# KiCad board noraneko42c.kicad_pcb
date: 2021-08-02
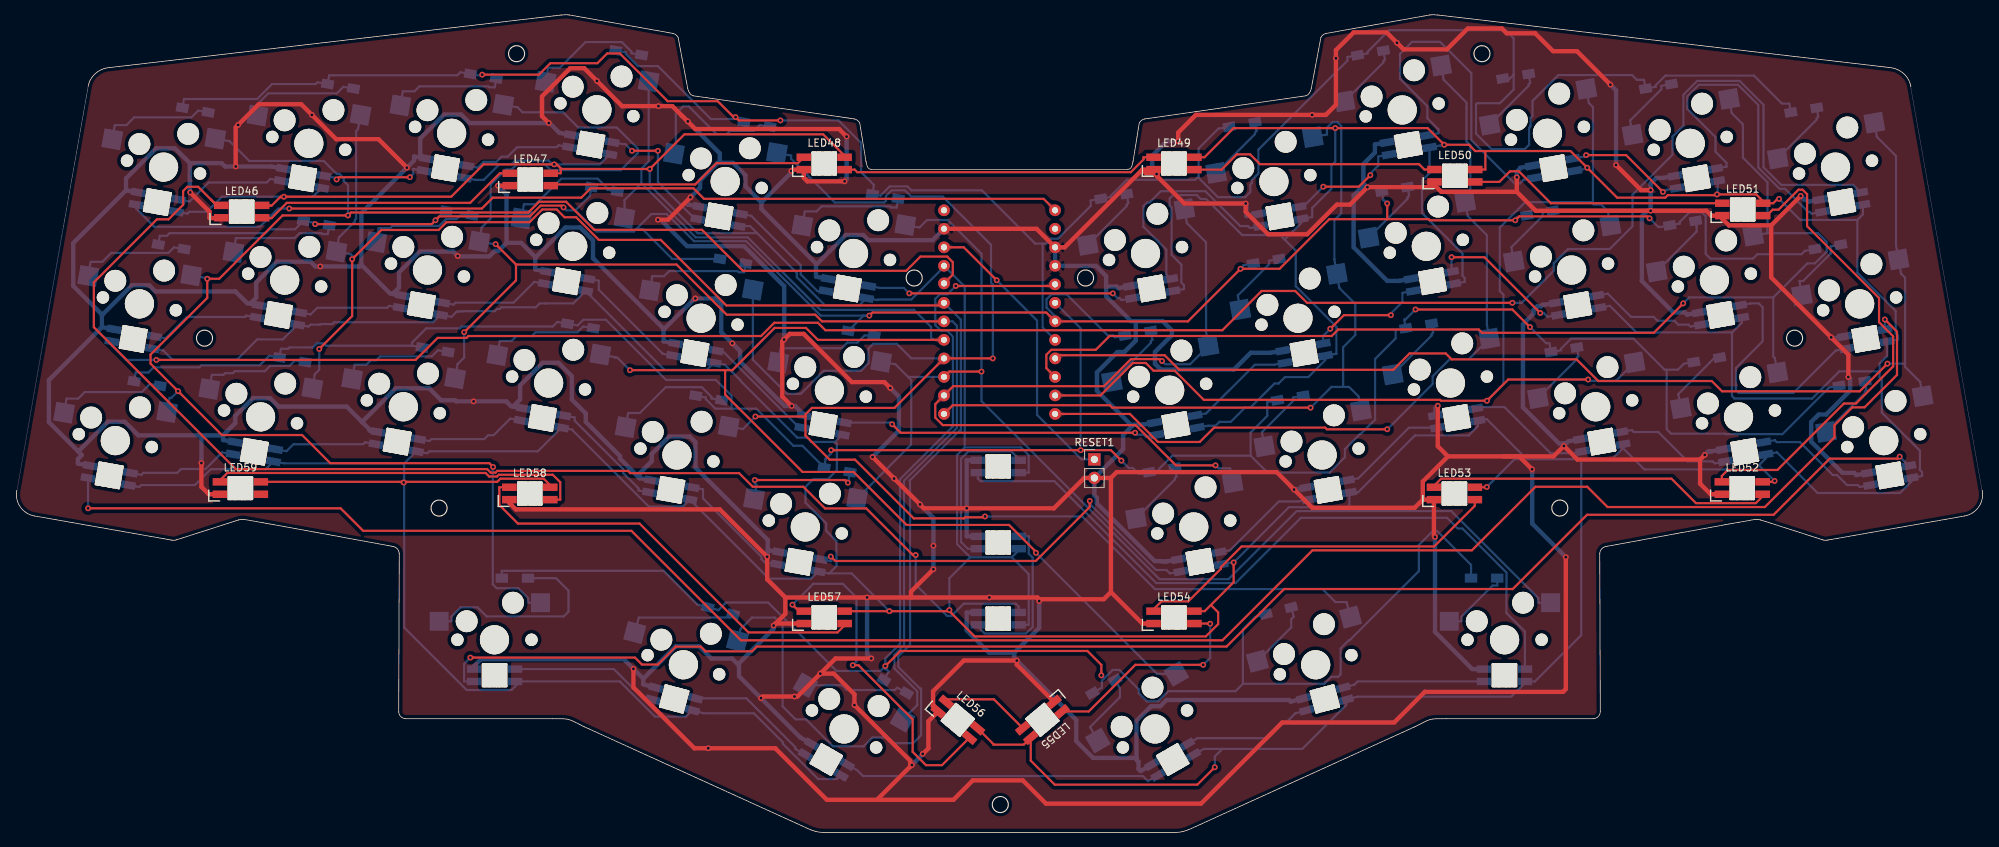
[diagram p0: board, top side]
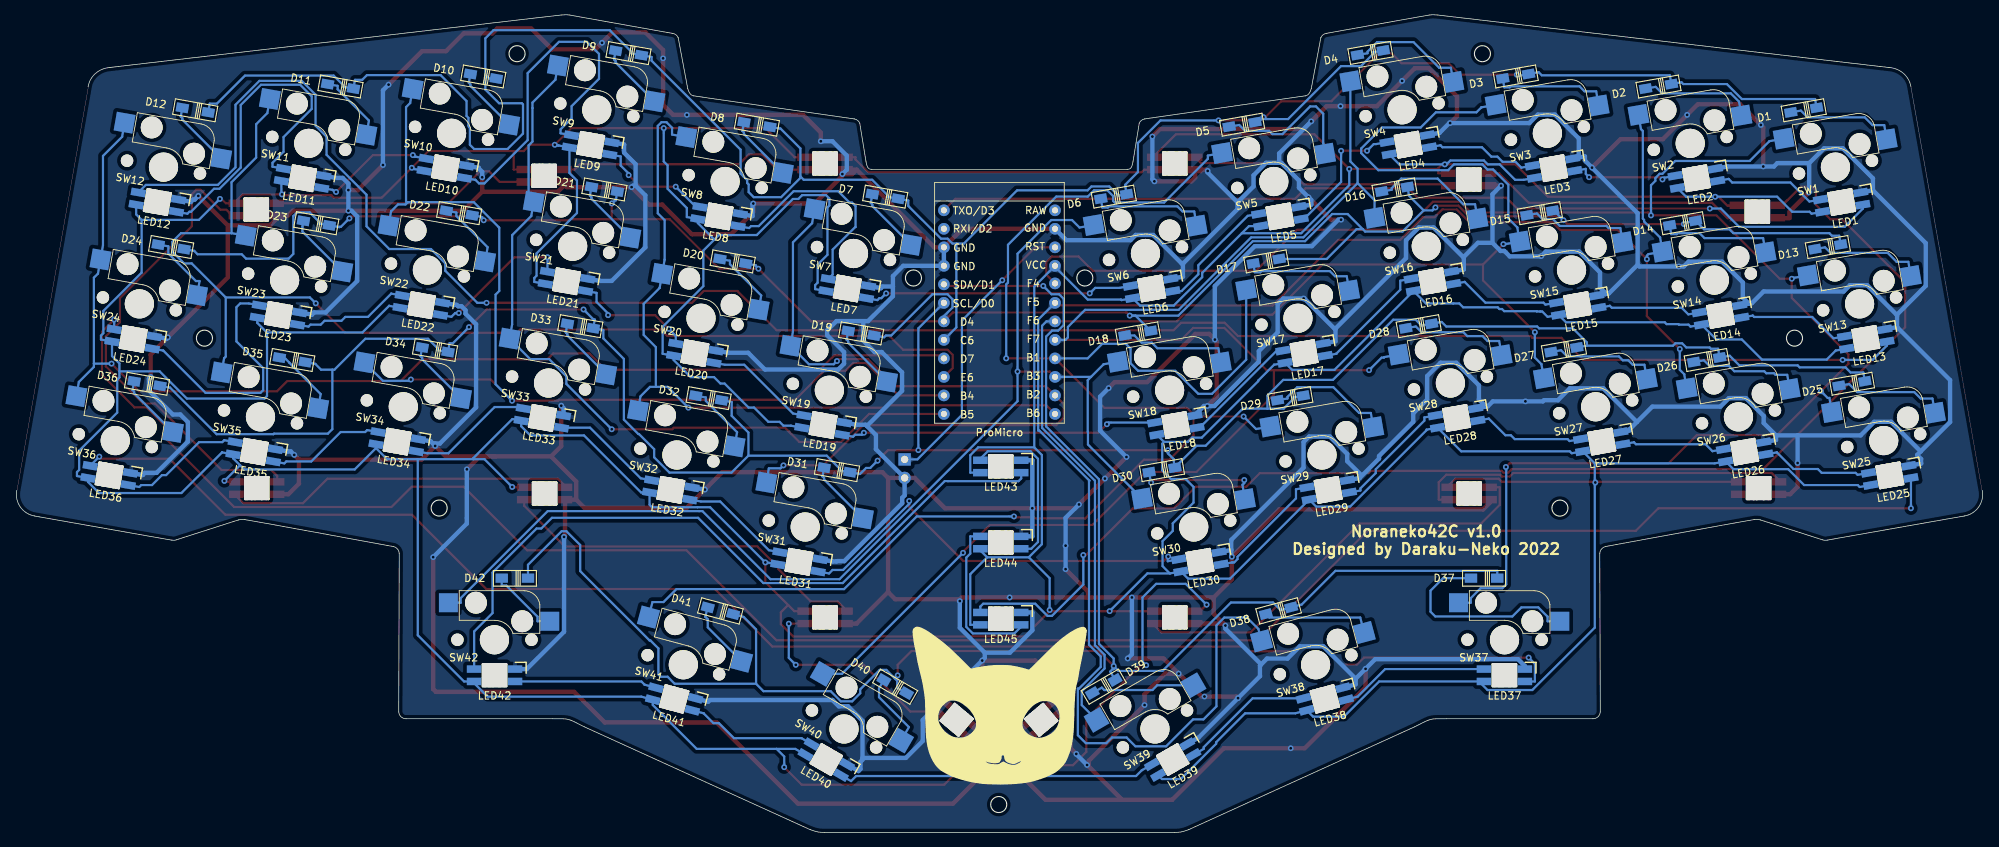
[diagram p1: board, bottom side, seen from below]

Outline 270.16 x 112.21 mm; copper layers: Top, Bottom. Coordinates in mm from the lower left corner of the outline.
Outline path: circle c26.05,67.81 r1.1 ; circle c58.22,44.5 r1.1 ; circle c68.85,106.84 r1.1 ; circle c123.38,76.07 r1.1 ; circle c135.19,3.83 r1.1 ; circle c146.88,76.07 r1.1 ; circle c201.25,106.84 r1.1 ; circle c211.93,44.51 r1.1 ; circle c244.12,67.81 r1.1 ; 22.24,40.16 30.69,42.87 ; 52.68,16.6 52.76,38.24 ; 73.8,15.6 53.68,15.6 ; 74.97,112.15 13.07,104.95 ; 76.12,112.15 90.27,109.63 ; 92.32,102.05 91.01,109.04 ; 93.14,101.06 115.17,97.89 ; 109.13,0.38 78.12,14.5 ; 116.77,92.02 115.92,97.3 ; 152.6,90.97 117.56,90.97 ; 154.24,97.3 153.39,92.02 ; 154.99,97.89 177.02,101.06 ; 159.08,0.01 111.08,0.01 ; 179.15,109.04 177.84,102.05 ; 179.89,109.63 194.04,112.15 ; 192.04,14.5 161.03,0.38 ; 216.48,15.6 196.36,15.6 ; 217.4,38.24 217.48,16.6 ; 239.47,42.87 247.92,40.16 ; 257.09,104.95 195.19,112.15
Stack: Top 0.035mm / dielectric 1.51mm FR4 er 4.5 / Bottom 0.035mm

## Placement (name value [footprint] x y rotation side)
D1  D  [1N4148W]  24.78 99.1 350 bottom
D2  D  [1N4148W]  44.7 102.36 350 bottom
D3  D  [1N4148W]  64.29 103.74 350 bottom
D4  D  [1N4148W]  84.22 106.97 350 bottom
D5  D  [1N4148W]  101.81 97.13 350 bottom
D6  D  [1N4148W]  119.41 87.25 350 bottom
D7  D  [1N4148W]  150.75 87.25 10 bottom
D8  D  [1N4148W]  168.35 97.13 10 bottom
D9  D  [1N4148W]  185.96 106.95 10 bottom
D10  D  [1N4148W]  205.88 103.74 10 bottom
D11  D  [1N4148W]  225.46 102.36 10 bottom
D12  D  [1N4148W]  245.38 99.1 10 bottom
D13  D  [1N4148W]  21.48 80.34 350 bottom
D14  D  [1N4148W]  41.39 83.6 350 bottom
D15  D  [1N4148W]  60.98 84.98 350 bottom
D16  D  [1N4148W]  80.9 88.24 350 bottom
D17  D  [1N4148W]  98.5 78.37 350 bottom
D18  D  [1N4148W]  116.11 68.49 350 bottom
D19  D  [1N4148W]  154.06 68.49 10 bottom
D20  D  [1N4148W]  171.66 78.37 10 bottom
D21  D  [1N4148W]  189.26 88.24 10 bottom
D22  D  [1N4148W]  209.18 84.98 10 bottom
D23  D  [1N4148W]  228.77 83.6 10 bottom
D24  D  [1N4148W]  248.69 80.34 10 bottom
D25  D  [1N4148W]  18.17 61.58 350 bottom
D26  D  [1N4148W]  38.09 64.84 350 bottom
D27  D  [1N4148W]  57.67 66.22 350 bottom
D28  D  [1N4148W]  77.59 69.48 350 bottom
D29  D  [1N4148W]  95.2 59.61 350 bottom
D30  D  [1N4148W]  112.8 49.73 350 bottom
D31  D  [1N4148W]  157.37 49.73 10 bottom
D32  D  [1N4148W]  174.97 59.61 10 bottom
D33  D  [1N4148W]  192.57 69.48 10 bottom
D34  D  [1N4148W]  212.49 66.22 10 bottom
D35  D  [1N4148W]  232.08 64.84 10 bottom
D36  D  [1N4148W]  252 61.58 10 bottom
D37  D  [1N4148W]  68.62 34.88 0 bottom
D38  D  [1N4148W]  96.81 30.42 345 bottom
D39  D  [1N4148W]  120.79 20.02 330 bottom
D40  D  [1N4148W]  149.38 20.02 30 bottom
D41  D  [1N4148W]  173.35 30.42 15 bottom
D42  D  [1N4148W]  201.55 34.88 0 bottom
LED1  -  [SK6812MINI-E]  19.08 83.6 350 bottom
LED2  -  [SK6812MINI-E]  38.99 86.87 350 bottom
LED3  -  [SK6812MINI-E]  58.58 88.25 350 bottom
LED4  -  [SK6812MINI-E]  78.51 91.48 350 bottom
LED5  -  [SK6812MINI-E]  96.11 81.64 350 bottom
LED6  -  [SK6812MINI-E]  113.71 71.75 350 bottom
LED7  -  [SK6812MINI-E]  156.46 71.75 10 bottom
LED8  -  [SK6812MINI-E]  174.05 81.64 10 bottom
LED9  -  [SK6812MINI-E]  191.66 91.46 10 bottom
LED10  -  [SK6812MINI-E]  211.58 88.25 10 bottom
LED11  -  [SK6812MINI-E]  231.17 86.87 10 bottom
LED12  -  [SK6812MINI-E]  251.09 83.6 10 bottom
LED13  -  [SK6812MINI-E]  15.76 64.83 350 bottom
LED14  -  [SK6812MINI-E]  35.68 68.12 350 bottom
LED15  -  [SK6812MINI-E]  55.28 69.46 350 bottom
LED16  -  [SK6812MINI-E]  75.19 72.74 350 bottom
LED17  -  [SK6812MINI-E]  92.79 62.88 350 bottom
LED18  -  [SK6812MINI-E]  110.38 53.01 350 bottom
LED19  -  [SK6812MINI-E]  159.78 53.01 10 bottom
LED20  -  [SK6812MINI-E]  177.37 62.88 10 bottom
LED21  -  [SK6812MINI-E]  194.97 72.74 10 bottom
LED22  -  [SK6812MINI-E]  214.88 69.46 10 bottom
LED23  -  [SK6812MINI-E]  234.48 68.12 10 bottom
LED24  -  [SK6812MINI-E]  254.4 64.83 10 bottom
LED25  -  [SK6812MINI-E]  12.47 46.11 350 bottom
LED26  -  [SK6812MINI-E]  32.37 49.35 350 bottom
LED27  -  [SK6812MINI-E]  51.97 50.74 350 bottom
LED28  -  [SK6812MINI-E]  71.88 53.98 350 bottom
LED29  -  [SK6812MINI-E]  89.49 44.12 350 bottom
LED30  -  [SK6812MINI-E]  107.08 34.25 350 bottom
LED31  -  [SK6812MINI-E]  163.08 34.25 10 bottom
LED32  -  [SK6812MINI-E]  180.67 44.12 10 bottom
LED33  -  [SK6812MINI-E]  198.28 53.98 10 bottom
LED34  -  [SK6812MINI-E]  218.19 50.74 10 bottom
LED35  -  [SK6812MINI-E]  237.79 49.35 10 bottom
LED36  -  [SK6812MINI-E]  257.69 46.11 10 bottom
LED37  -  [SK6812MINI-E]  65.83 18.64 0 bottom
LED38  -  [SK6812MINI-E]  89.7 15.49 345 bottom
LED39  -  [SK6812MINI-E]  109.87 7.46 330 bottom
LED40  -  [SK6812MINI-E]  160.3 7.46 30 bottom
LED41  -  [SK6812MINI-E]  180.46 15.49 15 bottom
LED42  -  [SK6812MINI-E]  204.33 18.64 0 bottom
LED43  -  [SK6812MINI-E]  134.91 47.29 0 bottom
LED44  -  [SK6812MINI-E]  134.91 36.85 0 bottom
LED45  -  [SK6812MINI-E]  134.91 26.41 0 bottom
LED46  -  [SK6812MINI-E]  31.14 88.1 0 top
LED47  -  [SK6812MINI-E]  70.73 92.5 0 top
LED48  -  [SK6812MINI-E]  111.04 94.7 0 top
LED49  -  [SK6812MINI-E]  159.01 94.7 0 top
LED50  -  [SK6812MINI-E]  197.53 93.02 0 top
LED51  -  [SK6812MINI-E]  237.01 88.39 0 top
LED52  -  [SK6812MINI-E]  236.95 50.17 0 top
LED53  -  [SK6812MINI-E]  197.47 49.42 0 top
LED54  -  [SK6812MINI-E]  159.01 32.43 0 top
LED55  -  [SK6812MINI-E]  142.84 13.22 220 top
LED56  -  [SK6812MINI-E]  131.24 17.69 320 top
LED57  -  [SK6812MINI-E]  111.04 32.43 0 top
LED58  -  [SK6812MINI-E]  70.66 49.42 0 top
LED59  -  [SK6812MINI-E]  30.97 50.17 0 top
RESET1  SW_Push  [PinHeader_1x02_P2.54mm_Vertical]  148.09 51.18 0 top
SW1  SW_Push  [MX_Socket]  20.43 91.28 350 top
SW2  SW_Push  [MX_Socket]  40.35 94.54 350 top
SW3  SW_Push  [MX_Socket]  59.94 95.92 350 top
SW4  SW_Push  [MX_Socket]  79.86 99.15 350 top
SW5  SW_Push  [MX_Socket]  97.46 89.3 350 top
SW6  SW_Push  [MX_Socket]  115.06 79.43 350 top
SW7  SW_Push  [MX_Socket]  155.11 79.43 10 top
SW8  SW_Push  [MX_Socket]  172.71 89.3 10 top
SW9  SW_Push  [MX_Socket]  190.31 99.12 10 top
SW10  SW_Push  [MX_Socket]  210.23 95.92 10 top
SW11  SW_Push  [MX_Socket]  229.82 94.54 10 top
SW12  SW_Push  [MX_Socket]  249.74 91.28 10 top
SW13  SW_Push  [MX_Socket]  17.12 72.52 350 top
SW14  SW_Push  [MX_Socket]  37.04 75.78 350 top
SW15  SW_Push  [MX_Socket]  56.63 77.16 350 top
SW16  SW_Push  [MX_Socket]  76.55 80.42 350 top
SW17  SW_Push  [MX_Socket]  94.15 70.54 350 top
SW18  SW_Push  [MX_Socket]  111.75 60.67 350 top
SW19  SW_Push  [MX_Socket]  158.41 60.67 10 top
SW20  SW_Push  [MX_Socket]  176.02 70.54 10 top
SW21  SW_Push  [MX_Socket]  193.62 80.42 10 top
SW22  SW_Push  [MX_Socket]  213.54 77.16 10 top
SW23  SW_Push  [MX_Socket]  233.13 75.78 10 top
SW24  SW_Push  [MX_Socket]  253.04 72.52 10 top
SW25  SW_Push  [MX_Socket]  13.81 53.76 350 top
SW26  SW_Push  [MX_Socket]  33.73 57.02 350 top
SW27  SW_Push  [MX_Socket]  53.32 58.4 350 top
SW28  SW_Push  [MX_Socket]  73.24 61.66 350 top
SW29  SW_Push  [MX_Socket]  90.84 51.78 350 top
SW30  SW_Push  [MX_Socket]  108.44 41.91 350 top
SW31  SW_Push  [MX_Socket]  161.72 41.91 10 top
SW32  SW_Push  [MX_Socket]  179.33 51.78 10 top
SW33  SW_Push  [MX_Socket]  196.93 61.66 10 top
SW34  SW_Push  [MX_Socket]  216.85 58.4 10 top
SW35  SW_Push  [MX_Socket]  236.43 57.02 10 top
SW36  SW_Push  [MX_Socket]  256.35 53.76 10 top
SW37  SW_Push  [MX_Socket_1.25U]  65.82 26.43 0 top
SW38  SW_Push  [MX_Socket_1.25U]  91.73 23.01 345 top
SW39  SW_Push  [MX_Socket]  113.76 14.2 330 top
SW40  SW_Push  [MX_Socket]  156.4 14.2 30 top
SW41  SW_Push  [MX_Socket]  178.44 23.01 15 top
SW42  SW_Push  [MX_Socket]  204.35 26.43 0 top
U1  ProMicro  [Pro_Micro]  135 69.95 180 bottom

## Library data of the parts
D1-D42 = -: LCSC: C81598

## Footprints (pads in the part's own frame, mm; a bottom-side part is the same pattern mirrored in y, then rotated)
1N4148W
  rect 1.7x1.25 smd: 1(-1.8,0) 2(1.8,0)
MX_Socket
  round 1.7 hole 1.7 unplated: (-5.081,-0.001) (5.079,-0.001)
  round 3 hole 3 unplated: (-3.811,2.539) (2.539,5.079)
  round 4 hole 4 unplated: (0,0)
  rect 2.6x2.6 smd far side: 1(6.314,5.079) 2(-7.586,2.539)
MX_Socket_1.25U
  round 1.7 hole 1.7 unplated: (-5.081,-0.001) (5.079,-0.001)
  round 3 hole 3 unplated: (-3.811,2.539) (2.539,5.079)
  round 4 hole 4 unplated: (0,0)
  rect 2.6x2.6 smd far side: 1(6.314,5.079) 2(-7.586,2.539)
PinHeader_1x02_P2.54mm_Vertical
  rect 1.7x1.7 hole 1: 1(0,0)
  oval 1.7x1.7 hole 1: 2(0,-2.54)
Pro_Micro
  round 1.6 hole 0.85: 1(-7.709,15.408) 2(-7.709,12.868) 3(-7.709,10.328) 4(-7.709,7.788) 5(-7.709,5.248) 6(-7.709,2.708) 7(-7.709,0.168) 8(-7.709,-2.372) 9(-7.709,-4.912) 10(-7.709,-7.452) 11(-7.709,-9.992) 12(-7.709,-12.532) 13(7.531,-12.532) 14(7.531,-9.992) 15(7.531,-7.452) 16(7.531,-4.912) 17(7.531,-2.372) 18(7.531,0.168) 19(7.531,2.708) 20(7.531,5.375) 21(7.531,7.788) 22(7.531,10.328) 23(7.531,12.868) 24(7.531,15.408)
SK6812MINI-E
  oval 0.3x3.3 hole 0.3x3.3 unplated: (-1.6,-2.925) (1.6,-2.925)
  oval 0.5x3.3 hole 0.5x3.3 unplated: (-1.325,-2.925) (1.325,-2.925)
  oval 1.5x3.3 hole 1.5x3.3 unplated: (-0.7,-2.925) (0.25,-2.925) (0.675,-2.925)
  oval 3.5x0.3 hole 3.5x0.3 unplated: (0,-1.425) (0,-4.425)
  rect 2x1.02 smd: 1(2.8,-2.067) 2(2.8,-3.768) 3(-2.8,-3.768) 4(-2.8,-2.067)

## Nets
GND: LED1.3 LED2.3 LED3.3 LED4.3 LED5.3 LED6.3 LED7.3 LED8.3 LED9.3 LED10.3 LED11.3 LED12.3 LED13.3 LED14.3 LED15.3 LED16.3 LED17.3 LED18.3 LED19.3 LED20.3 LED21.3 LED22.3 LED23.3 LED24.3 LED25.3 LED26.3 LED27.3 LED28.3 LED29.3 LED30.3 LED31.3 LED32.3 LED33.3 LED34.3 LED35.3 LED36.3 LED37.3 LED38.3 LED39.3 LED40.3 LED41.3 LED42.3 LED43.3 LED44.3 LED45.3 LED46.3 LED47.3 LED48.3 LED49.3 LED50.3 LED51.3 LED52.3 LED53.3 LED54.3 LED55.3 LED56.3 LED57.3 LED58.3 LED59.3 RESET1.2 U1.3 U1.4 U1.23
VCC: LED1.1 LED2.1 LED3.1 LED4.1 LED5.1 LED6.1 LED7.1 LED8.1 LED9.1 LED10.1 LED11.1 LED12.1 LED13.1 LED14.1 LED15.1 LED16.1 LED17.1 LED18.1 LED19.1 LED20.1 LED21.1 LED22.1 LED23.1 LED24.1 LED25.1 LED26.1 LED27.1 LED28.1 LED29.1 LED30.1 LED31.1 LED32.1 LED33.1 LED34.1 LED35.1 LED36.1 LED37.1 LED38.1 LED39.1 LED40.1 LED41.1 LED42.1 LED43.1 LED44.1 LED45.1 LED46.1 LED47.1 LED48.1 LED49.1 LED50.1 LED51.1 LED52.1 LED53.1 LED54.1 LED55.1 LED56.1 LED57.1 LED58.1 LED59.1 U1.21
COL0: SW1.1 SW13.1 SW25.1 SW37.1 U1.20
COL1: SW2.1 SW14.1 SW26.1 SW38.1 U1.19
COL2: SW3.1 SW15.1 SW27.1 SW39.1 U1.18
COL3: SW4.1 SW16.1 SW28.1 SW40.1 U1.17
COL4: SW5.1 SW17.1 SW29.1 SW41.1 U1.16
COL5: SW6.1 SW18.1 SW30.1 SW42.1 U1.15
COL6: SW7.1 SW19.1 SW31.1 U1.14
COL7: SW8.1 SW20.1 SW32.1 U1.13
COL8: SW9.1 SW21.1 SW33.1 U1.12
COL9: SW10.1 SW22.1 SW34.1 U1.11
COL10: SW11.1 SW23.1 SW35.1 U1.10
COL11: SW12.1 SW24.1 SW36.1 U1.9
LED: LED1.4 U1.1
reset: RESET1.1 U1.22
ROW0: D1.1 D2.1 D3.1 D4.1 D5.1 D6.1 D7.1 D8.1 D9.1 D10.1 D11.1 D12.1 U1.8
ROW1: D13.1 D14.1 D15.1 D16.1 D17.1 D18.1 D19.1 D20.1 D21.1 D22.1 D23.1 D24.1 U1.7
ROW2: D25.1 D26.1 D27.1 D28.1 D29.1 D30.1 D31.1 D32.1 D33.1 D34.1 D35.1 D36.1 U1.6
ROW3: D37.1 D38.1 D39.1 D40.1 D41.1 D42.1 U1.5
Net-(D1-Pad2): D1.2 SW1.2
Net-(D2-Pad2): D2.2 SW2.2
Net-(D3-Pad2): D3.2 SW3.2
Net-(D4-Pad2): D4.2 SW4.2
Net-(D5-Pad2): D5.2 SW5.2
Net-(D6-Pad2): D6.2 SW6.2
Net-(D7-Pad2): D7.2 SW7.2
Net-(D8-Pad2): D8.2 SW8.2
Net-(D9-Pad2): D9.2 SW9.2
Net-(D10-Pad2): D10.2 SW10.2
Net-(D11-Pad2): D11.2 SW11.2
Net-(D12-Pad2): D12.2 SW12.2
Net-(D13-Pad2): D13.2 SW13.2
Net-(D14-Pad2): D14.2 SW14.2
Net-(D15-Pad2): D15.2 SW15.2
Net-(D16-Pad2): D16.2 SW16.2
Net-(D17-Pad2): D17.2 SW17.2
Net-(D18-Pad2): D18.2 SW18.2
Net-(D19-Pad2): D19.2 SW19.2
Net-(D20-Pad2): D20.2 SW20.2
Net-(D21-Pad2): D21.2 SW21.2
Net-(D22-Pad2): D22.2 SW22.2
Net-(D23-Pad2): D23.2 SW23.2
Net-(D24-Pad2): D24.2 SW24.2
Net-(D25-Pad2): D25.2 SW25.2
Net-(D26-Pad2): D26.2 SW26.2
Net-(D27-Pad2): D27.2 SW27.2
Net-(D28-Pad2): D28.2 SW28.2
Net-(D29-Pad2): D29.2 SW29.2
Net-(D30-Pad2): D30.2 SW30.2
Net-(D31-Pad2): D31.2 SW31.2
Net-(D32-Pad2): D32.2 SW32.2
Net-(D33-Pad2): D33.2 SW33.2
Net-(D34-Pad2): D34.2 SW34.2
Net-(D35-Pad2): D35.2 SW35.2
Net-(D36-Pad2): D36.2 SW36.2
Net-(D37-Pad2): D37.2 SW37.2
Net-(D38-Pad2): D38.2 SW38.2
Net-(D39-Pad2): D39.2 SW39.2
Net-(D40-Pad2): D40.2 SW40.2
Net-(D41-Pad2): D41.2 SW41.2
Net-(D42-Pad2): D42.2 SW42.2
Net-(LED1-Pad2): LED1.2 LED2.4
Net-(LED2-Pad2): LED2.2 LED3.4
Net-(LED3-Pad2): LED3.2 LED4.4
Net-(LED4-Pad2): LED4.2 LED5.4
Net-(LED5-Pad2): LED5.2 LED6.4
Net-(LED6-Pad2): LED6.2 LED7.4
Net-(LED7-Pad2): LED7.2 LED8.4
Net-(LED8-Pad2): LED8.2 LED9.4
Net-(LED10-Pad2): LED10.2 LED11.4
Net-(LED10-Pad4): LED9.2 LED10.4
Net-(LED11-Pad2): LED11.2 LED12.4
Net-(LED12-Pad2): LED12.2 LED13.4
Net-(LED13-Pad2): LED13.2 LED14.4
Net-(LED14-Pad2): LED14.2 LED15.4
Net-(LED15-Pad2): LED15.2 LED16.4
Net-(LED16-Pad2): LED16.2 LED17.4
Net-(LED17-Pad2): LED17.2 LED18.4
Net-(LED18-Pad2): LED18.2 LED19.4
Net-(LED19-Pad2): LED19.2 LED20.4
Net-(LED20-Pad2): LED20.2 LED21.4
Net-(LED21-Pad2): LED21.2 LED22.4
Net-(LED22-Pad2): LED22.2 LED23.4
Net-(LED23-Pad2): LED23.2 LED24.4
Net-(LED24-Pad2): LED24.2 LED25.4
Net-(LED25-Pad2): LED25.2 LED26.4
Net-(LED26-Pad2): LED26.2 LED27.4
Net-(LED27-Pad2): LED27.2 LED28.4
Net-(LED28-Pad2): LED28.2 LED29.4
Net-(LED29-Pad2): LED29.2 LED30.4
Net-(LED30-Pad2): LED30.2 LED31.4
Net-(LED31-Pad2): LED31.2 LED32.4
Net-(LED32-Pad2): LED32.2 LED33.4
Net-(LED33-Pad2): LED33.2 LED34.4
Net-(LED34-Pad2): LED34.2 LED35.4
Net-(LED35-Pad2): LED35.2 LED36.4
Net-(LED36-Pad2): LED36.2 LED37.4
Net-(LED37-Pad2): LED37.2 LED38.4
Net-(LED38-Pad2): LED38.2 LED39.4
Net-(LED39-Pad2): LED39.2 LED40.4
Net-(LED40-Pad2): LED40.2 LED41.4
Net-(LED41-Pad2): LED41.2 LED42.4
Net-(LED42-Pad2): LED42.2 LED43.4
Net-(LED43-Pad2): LED43.2 LED44.4
Net-(LED44-Pad2): LED44.2 LED45.4
Net-(LED45-Pad2): LED45.2 LED46.4
Net-(LED46-Pad2): LED46.2 LED47.4
Net-(LED47-Pad2): LED47.2 LED48.4
Net-(LED48-Pad2): LED48.2 LED49.4
Net-(LED49-Pad2): LED49.2 LED50.4
Net-(LED50-Pad2): LED50.2 LED51.4
Net-(LED51-Pad2): LED51.2 LED52.4
Net-(LED52-Pad2): LED52.2 LED53.4
Net-(LED53-Pad2): LED53.2 LED54.4
Net-(LED54-Pad2): LED54.2 LED55.4
Net-(LED55-Pad2): LED55.2 LED56.4
Net-(LED56-Pad2): LED56.2 LED57.4
Net-(LED57-Pad2): LED57.2 LED58.4
Net-(LED58-Pad2): LED58.2 LED59.4

Pads without a net: LED59 2; U1 2 24

## Via types
v1: diameter 0.8, hole 0.4, Top to Bottom, 156 vias

## Routing (per net, layer and track width the routed paths; a pad name or vN(x,y) marks a point on that pad's centre or on a via; arc(x,y) is an arc through that point)
GND: length 1897
  Top w0.6: v1(102.37,18.42) 102.59,18.65 v1(106.97,18.65) 107.36,18.65 v1(110.51,21.79) ; v1(159.59,94.83) 159.59,96.02 162.02,98.45 v1(177.96,98.45) 179.84,98.45 181.22,99.83 v1(181.22,106.21) 181.22,107.33 183.66,109.77 188.17,109.77 v1(189.59,108.34) 190.5,107.44 196.44,107.44 199.3,110.3 203.98,110.3 204.64,109.64 208.55,109.64 211,107.19 214.28,107.19 v1(218.87,102.6) ; 140.53,31.99 149.38,31.99 150.36,32.97 ; 140.53,31.99 140.28,32.24 v1(133.69,32.24) 122.95,32.24 ; 140.53,31.99 v1(140.53,31.74) ; v1(110.51,21.79) 112.58,23.87 v1(117.5,23.87) ; v1(110.51,21.79) 112.35,21.79 115.19,18.95 v1(115.19,17.48) 122.84,9.83 122.84,9.04 ; v1(88.23,84.07) 89.62,84.07 v1(92.69,87.13) ; U1.23 140.17,82.82 U1.3 144.02,80.28 154.68,90.94 ; 204.22,51.59 206.35,51.59 v1(208.13,49.82) ; 204.22,51.59 196.58,51.59 ; 204.22,51.59 211.05,51.59 v1(212.48,53.02) 214.35,51.15 231.16,51.15 ; 122.84,9.04 118.38,4.58 118.38,4.48 ; 122.84,9.04 123.05,9.25 v1(123.07,9.25) ; 196.58,51.59 195.19,52.98 v1(195.19,58.54) ; 196.58,51.59 193.14,48.14 193.14,45.66 ; 105.71,32.24 105.71,29.99 v1(104.1,28.39) 104.37,28.66 LED57.3 ; 105.71,32.24 v1(116.92,32.24) 122.95,32.24 ; 105.71,32.24 103.22,34.73 v1(103.22,37.82) 96.72,44.32 68.75,44.32 67.86,45.2 LED58.3 ; LED54.3 154.68,28.66 150.36,32.97 ; 91.48,98.38 93.35,96.51 113.08,96.51 v1(114.11,95.47) ; 91.48,98.38 92.27,97.59 92.3,97.59 v1(92.33,97.56) ; 91.48,98.38 90.21,99.64 v1(88.31,99.64) 83.33,99.64 v1(79.86,103.11) 78.12,104.85 76.2,104.85 72.34,100.98 72.34,98.27 v1(73.28,97.32) ; 206.03,87.89 v1(206.03,89.88) ; 206.03,87.89 195.67,87.89 194.73,88.83 ; 206.03,87.89 208.63,85.29 v1(224.38,85.29) 232.02,85.29 232.68,84.63 LED51.3 234.21,84.2 235.12,83.29 240.92,83.29 ; v1(194.81,40.55) 194.67,40.69 LED53.3 193.14,45.66 ; 150.36,32.97 150.36,48.64 ; v1(219.64,91.57) 223.08,88.13 v1(224.38,88.13) ; v1(117.67,51.51) v1(120.62,48.55) v1(124.18,45) 124.7,44.47 v1(130.58,44.47) 142.55,44.47 146.71,48.64 RESET1.2 150.36,48.64 ; v1(212.75,37.77) 212.75,19.66 212.38,19.29 193.41,19.29 189.21,15.09 173.86,15.09 162.72,3.95 141.47,3.95 138.28,7.14 131.42,7.14 128.76,4.48 118.38,4.48 ; 231.16,51.15 231.16,47.85 232.62,46.4 LED52.3 ; 231.16,51.15 v1(231.81,51.8) ; v1(24.09,87.8) 26.73,85.16 26.73,84.29 28.26,84.29 ; v1(53.81,91.21) 49.91,95.12 44.1,95.12 v1(40.77,98.45) 39.31,99.91 33.5,99.91 v1(30.66,97.07) 30.33,96.73 v1(30.33,91.36) ; 150.36,48.64 151.15,49.43 173.09,49.43 v1(175.48,47.04) 177.98,44.54 192.02,44.54 193.14,45.66 ; v1(120.11,60.97) 119.29,61.78 114.84,61.78 108.23,68.4 106.32,68.4 v1(105.54,67.62) 105.29,67.37 105.29,59.8 v1(106.58,58.51) ; 194.73,88.83 LED50.3 ; 194.73,88.83 194.43,88.53 v1(185.54,88.53) 183.14,86.13 181.34,86.13 177.28,82.07 171.91,82.07 168.84,85.14 v1(168.84,86.29) 160.44,86.29 156.73,90 156.73,90.22 v1(156.63,90.32) 155.29,90.32 154.68,90.94 ; 118.38,4.48 111.4,4.48 104.33,11.55 v1(95.14,11.55) 93.23,11.55 84.88,19.9 v1(84.88,22.44) ; v1(251.5,62.48) 251.5,65.56 v1(249.14,67.92) 240.92,76.14 240.92,83.29 ; LED55.3 137.45,23.01 v1(137.45,23.58) 130.18,23.58 125.97,19.36 125.97,17.31 LED56.3 125.33,15.26 125.33,11.53 124.57,10.78 v1(124.55,10.78) ; 240.92,83.29 v1(244.96,87.33) ; v1(66.29,88.74) LED47.3 ; v1(25.63,50.68) 25.63,47.41 26.64,46.4 LED59.3 ; 122.95,32.24 122.95,33.04 v1(126.02,36.12) ; v1(113.84,89.33) 108.74,89.33 108.24,89.83 LED48.3 106.71,90.94 v1(106.53,90.76) ; 154.68,90.94 LED49.3
  Bottom w0.6: LED24.3 249.3,67.76 249.3,67.76 v1(249.14,67.92) ; 109.92,78.04 109.92,76.25 LED6.3 ; 109.92,78.04 102.43,85.53 102.43,86.44 ; 109.92,78.04 110.08,78.04 114.01,81.97 116.4,81.97 117.12,81.26 125.91,81.26 U1.23 ; v1(208.13,49.82) 208.14,49.81 208.14,42.38 v1(212.75,37.77) ; 99.2,23.05 99.36,22.9 99.36,21.43 v1(102.37,18.42) 107.76,13.03 LED39.3 ; 99.2,23.05 98.4,23.85 95.57,23.85 93.89,25.54 90.67,25.54 86.23,21.09 ; 99.2,23.05 104.1,27.95 v1(104.1,28.39) ; 102.43,86.44 106.53,90.54 v1(106.53,90.76) ; 102.43,86.44 100.24,88.63 100.24,90.16 98.53,91.87 96.73,91.87 ; v1(206.03,89.88) 206.03,90.63 206.48,91.09 206.48,91.18 LED10.3 ; v1(194.81,40.55) 194.81,27.52 199.92,22.41 LED42.3 ; 55.64,92.6 55.64,95.21 58.91,98.49 61.25,98.49 62.41,97.32 v1(73.28,97.32) 73.38,97.32 74.72,95.98 LED4.3 ; 55.64,92.6 54.79,92.74 54.79,92.19 v1(53.81,91.21) 47.56,84.96 47.56,77.88 ; 55.64,92.6 LED3.3 ; 153.87,10.22 153.87,9.97 154.14,9.7 154.14,8.7 154.42,8.42 LED40.3 ; 153.87,10.22 147.92,10.22 145.61,12.53 145.61,15.43 v1(137.45,23.58) 137.1,23.93 137.1,24.66 ; 153.87,10.22 153.87,15.32 155.85,17.31 157.12,17.31 157.99,18.17 174.8,18.17 175.03,17.93 LED41.3 ; LED44.3 130.58,40.62 130.58,44.47 ; 15.29,88.1 15.29,89.73 19.42,93.86 22,93.86 24.03,91.83 ; 15.29,88.1 LED1.3 ; 15.29,88.1 8.05,80.86 8.05,74.98 12.02,71.01 ; v1(124.55,10.78) 124.55,10.73 v1(123.07,9.25) ; 12.02,71.01 16.08,75.07 18.46,75.07 19.3,74.22 30.28,74.22 31.89,72.61 32.41,72.52 ; 12.02,71.01 11.97,70.96 11.97,69.32 ; LED14.3 32.41,72.52 ; 32.41,72.52 32.41,72.64 33.14,73.37 33.14,75.45 35.99,78.31 40.58,78.31 41.24,77.65 v1(41.92,77.65) 47.32,77.65 47.56,77.88 ; 47.65,56.31 52.27,60.93 56.86,60.93 58.49,59.3 60.4,59.3 60.56,59.14 v1(62.95,59.14) 67.43,59.14 68.09,58.47 68.36,58.43 ; 47.65,56.31 45.55,58.42 36.21,58.42 35.05,59.58 32.71,59.58 30.27,57.15 30.27,56.16 28.58,54.48 ; 47.65,56.31 48.7,55.27 48.7,55.14 LED27.3 ; v1(185.54,88.53) 185.33,88.74 184.98,88.74 ; v1(92.33,97.56) 96.73,93.16 96.73,91.87 ; 24.03,91.83 24.03,87.86 v1(24.09,87.8) ; 24.03,91.83 28.4,91.83 28.86,91.36 v1(30.33,91.36) 35.2,91.36 LED2.3 ; v1(114.11,95.47) 114.11,89.6 v1(113.84,89.33) ; v1(140.53,31.74) 140.53,28.09 137.1,24.66 ; 96.73,91.87 96.43,91.87 94.01,89.45 94.01,88.45 v1(92.69,87.13) 92.32,86.76 92.32,86.13 LED5.3 ; v1(105.54,67.62) 105.54,74.95 100.06,80.44 92.23,80.44 88.6,84.07 v1(88.23,84.07) ; LED34.3 213.09,53.66 212.79,53.36 212.48,53.36 ; 52.01,73.86 52.01,74.03 52.72,74.75 52.72,76.83 55.58,79.69 60.17,79.69 v1(60.77,79.09) 60.83,79.03 65.1,79.03 65.85,79.78 66.36,79.78 67.47,80.89 ; 52.01,73.86 51.49,73.95 47.56,77.88 ; 52.01,73.86 LED15.3 ; 153.76,70.15 153.76,67.47 152.2,65.9 151.23,65.9 148.44,63.12 148.44,60.58 153.26,55.76 ; 153.76,70.15 157.44,70.15 158.72,68.87 158.72,68.23 156.4,65.91 156.4,64.3 157.2,63.51 167.24,63.51 169.54,65.81 172.27,65.81 173.96,66.1 ; 153.76,70.15 153.11,70.15 149.7,73.56 149.7,74.9 ; v1(159.59,94.83) 157.99,94.83 156.02,92.86 156.02,90.93 v1(156.63,90.32) ; v1(103.22,37.82) 103.29,37.9 103.29,38.74 ; 67.47,80.89 69.47,80.89 71.4,78.95 ; 67.47,80.89 67.47,87.56 v1(66.29,88.74) ; v1(219.64,91.57) 219.64,101.83 v1(218.87,102.6) ; LED43.3 130.58,51.06 130.58,44.47 ; 8.74,52.27 12.8,56.34 15.12,56.34 16.98,54.48 25.63,54.48 ; 8.74,52.27 4.71,56.3 4.71,62.06 11.97,69.32 ; 8.74,52.27 9.23,51.78 8.68,51.23 8.68,50.6 LED25.3 ; LED28.3 68.36,58.43 ; 68.36,58.43 69.33,59.4 69.33,61.34 72.43,64.44 74.6,64.44 76.43,62.61 76.43,59.4 78.33,57.49 78.33,56.33 83.03,51.64 83.03,51.28 85.7,48.61 85.7,48.61 ; 11.97,69.32 LED13.3 ; LED45.3 130.58,30.18 130.58,27.73 133.64,24.66 137.1,24.66 ; LED36.3 252.59,49.03 252.3,49.33 250.69,49.33 246.4,53.62 246.4,56.3 247.43,57.34 248.46,57.34 251.74,60.62 251.74,62.24 v1(251.5,62.48) ; 149.7,74.9 149.7,76.32 148.29,77.74 U1.4 U1.3 ; 149.7,74.9 151.14,74.9 151.36,74.68 LED7.3 ; v1(126.02,36.12) v1(126.02,39.35) 126.02,43.16 v1(124.18,45) ; 153.26,55.76 152.03,54.53 152.03,52.58 RESET1.2 148.09,46.24 148.43,45.91 148.43,45.16 156.36,37.22 157.41,37.22 157.45,37.18 157.98,37.18 LED31.3 ; 153.26,55.76 153.44,55.94 154.68,55.94 LED19.3 ; 212.48,53.36 211.82,53.36 206.87,58.31 206.87,69.72 208.31,71.17 208.31,71.65 208.86,72.19 209.33,72.19 209.53,72.38 209.78,72.38 LED22.3 ; 212.48,53.36 v1(212.48,53.02) ; v1(130.58,44.47) 130.58,44.47 ; LED29.3 85.7,48.61 ; 85.7,48.61 85.7,49.25 87.39,50.93 87.39,51.92 89.78,54.32 92.62,54.32 93.38,53.55 93.38,50.04 103.29,40.13 103.29,38.74 ; 191.56,75.96 189.87,75.67 188.26,75.67 183.65,80.27 183.65,87.41 184.98,88.74 ; LED11.3 226.07,89.8 225.16,89.8 224.38,89.02 v1(224.38,88.13) v1(224.38,85.29) 223.95,85.29 223.17,84.52 223.17,75.66 227.49,71.34 229.09,71.34 229.38,71.04 LED23.3 ; LED17.3 89,67.37 89,68.98 89.07,69.05 ; 89.07,69.05 79.33,78.79 79.33,81.24 77.57,83 75.55,83 71.5,78.95 71.4,78.95 ; 89.07,69.05 93.28,73.26 v1(93.37,73.26) 96.16,73.26 96.93,72.48 96.93,68.61 v1(98.44,67.11) 99.51,66.04 99.51,64.61 105.61,58.51 v1(106.58,58.51) 107.04,58.51 108.28,57.26 ; v1(168.84,86.29) 168.95,86.18 168.95,84.56 LED8.3 ; LED9.3 186.56,94.38 186.56,93.26 184.98,91.69 184.98,88.74 ; LED30.3 103.29,38.74 ; 25.63,54.48 28.58,54.48 ; 25.63,54.48 v1(25.63,50.68) ; LED35.3 232.69,52.28 232.28,52.28 v1(231.81,51.8) ; LED12.3 245.99,86.53 245.99,86.53 245.69,86.83 245.46,86.83 v1(244.96,87.33) ; 28.58,54.48 28.58,53.84 LED26.3 ; LED38.3 86.23,20.32 86.23,21.09 ; 71.4,78.95 71.4,77.23 LED16.3 ; LED37.3 63.03,22.84 63.97,23.77 83.55,23.77 v1(84.88,22.44) 86.23,21.09 ; 194.87,57.2 194.87,58.23 v1(195.19,58.54) ; v1(117.67,51.51) 121.29,55.13 121.29,59.79 v1(120.11,60.97) ; v1(116.92,32.24) 116.92,24.44 v1(117.5,23.87) ; 177.26,47.34 175.57,47.05 175.49,47.05 v1(175.48,47.04)